# KiCad board ciaa_acc.kicad_pcb (continued)
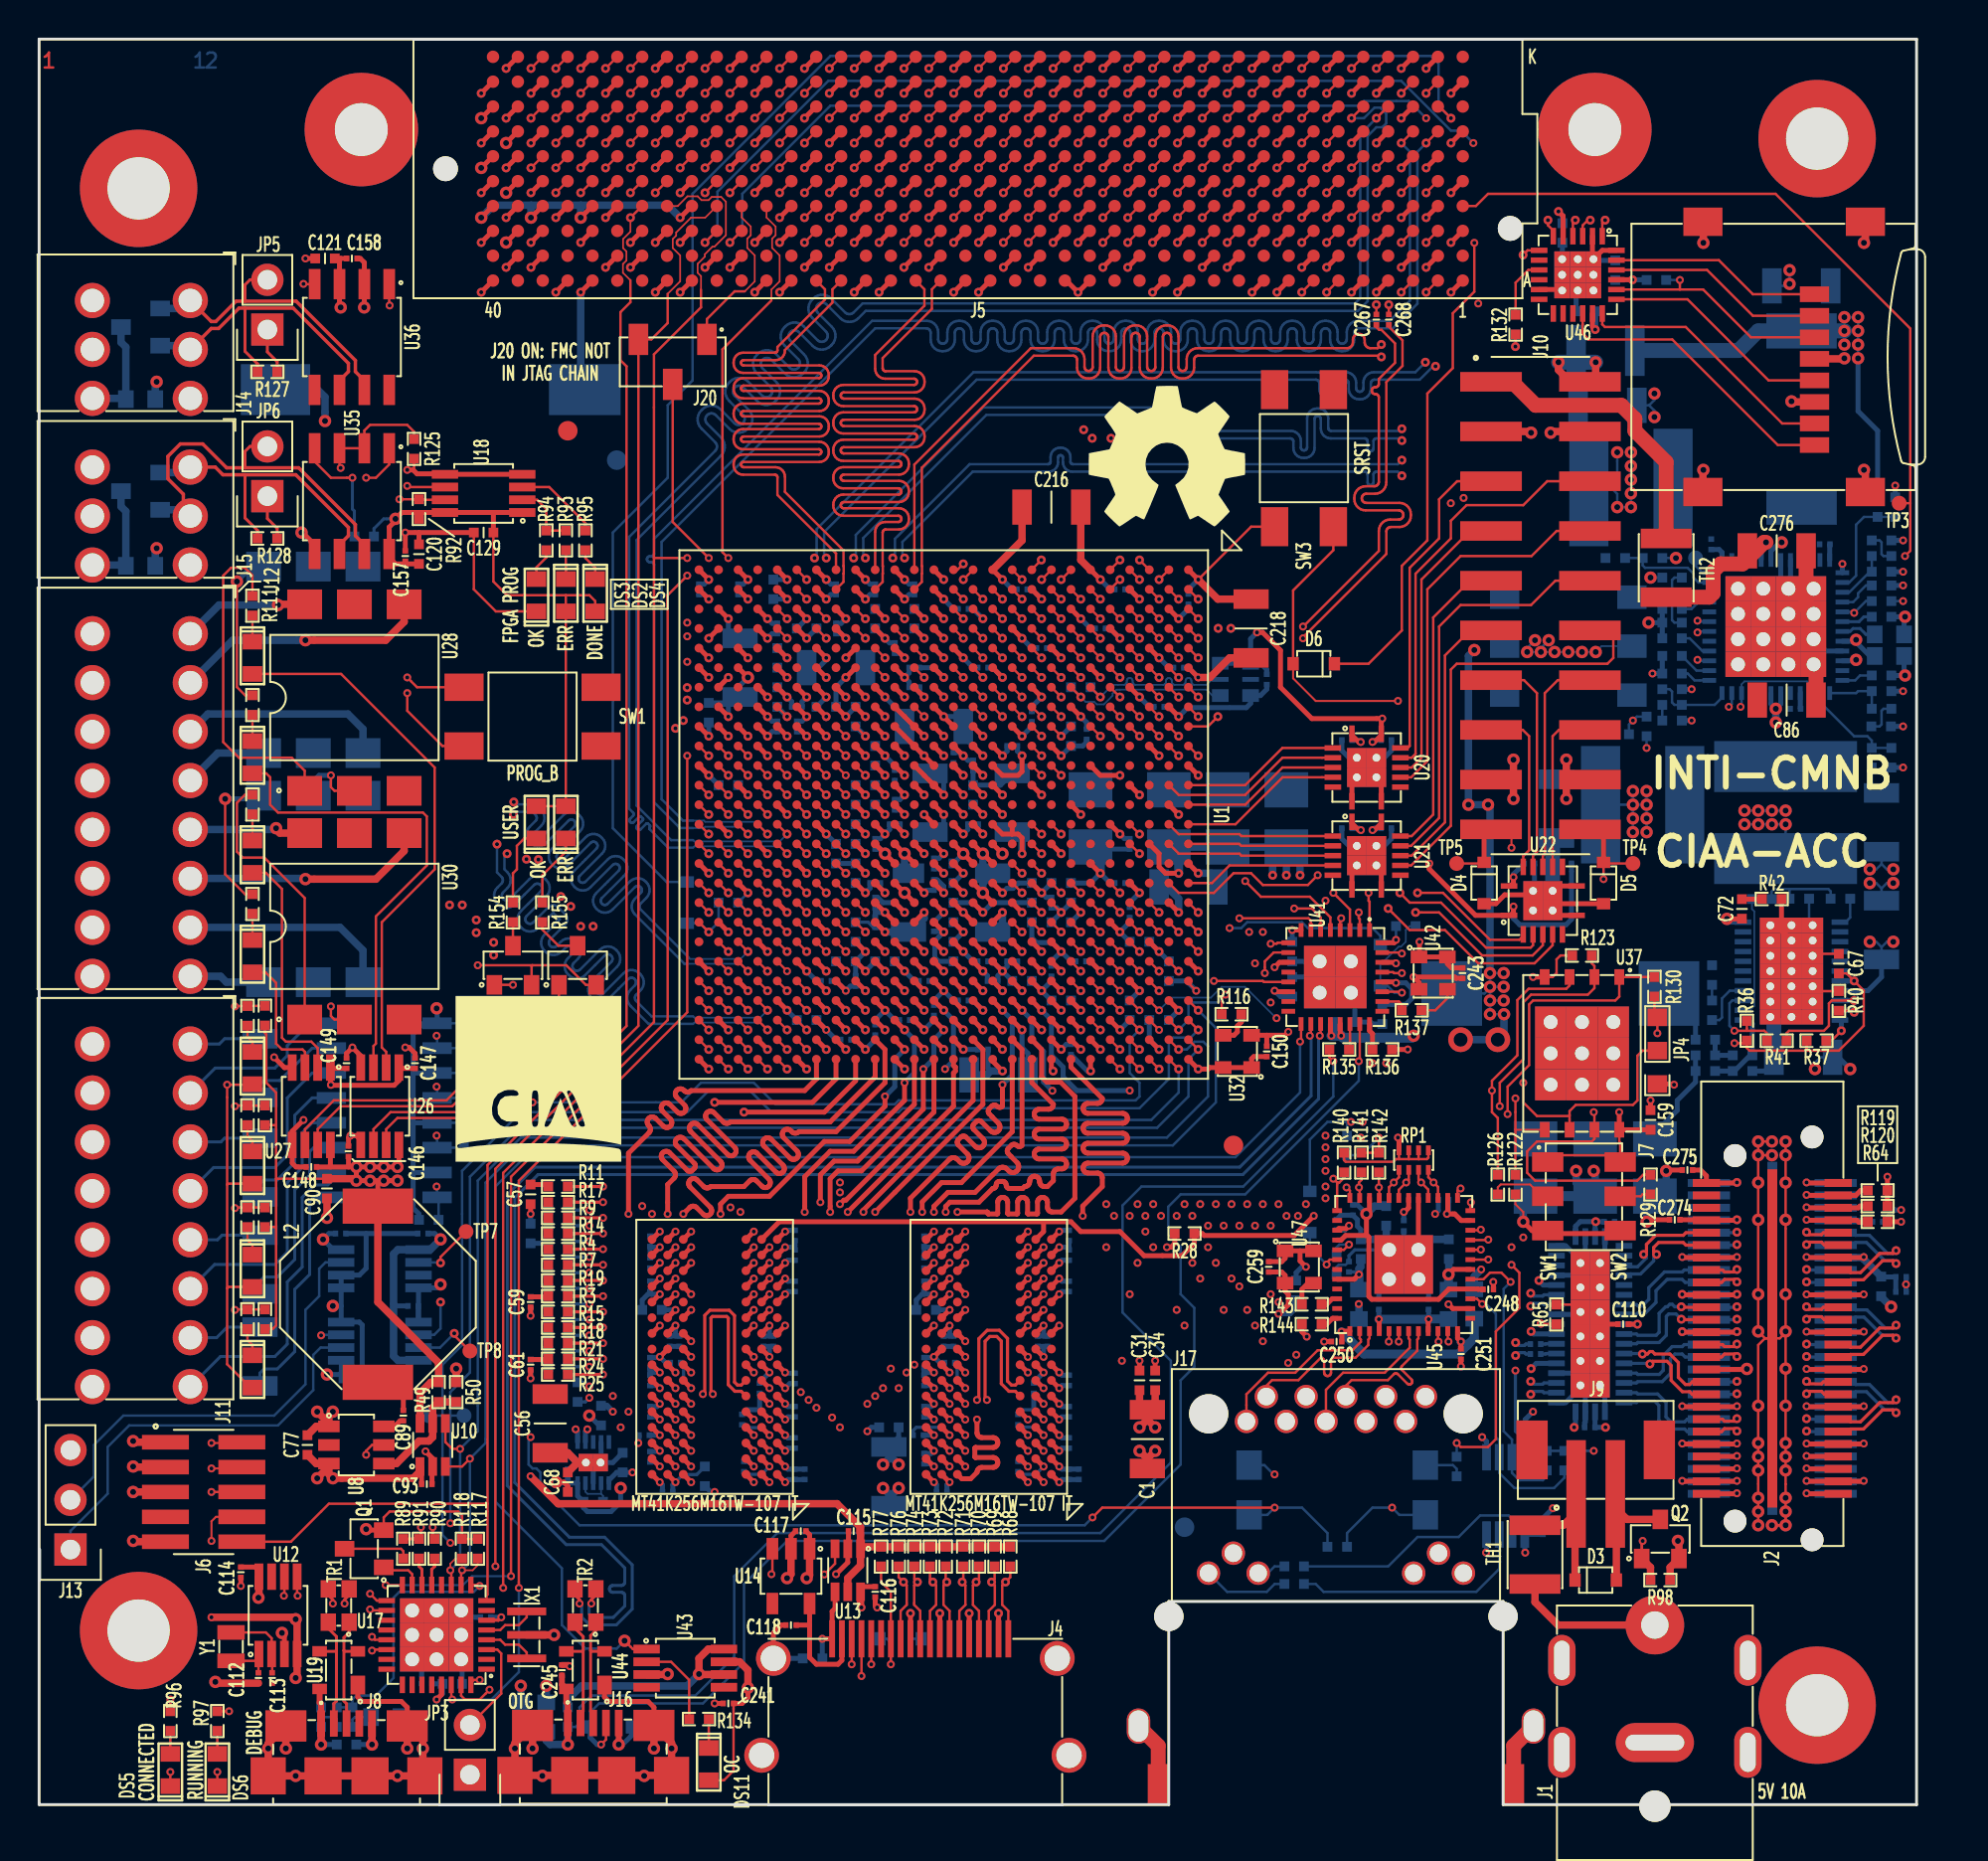
[diagram p0: board, top side]
## Routing (per net, layer and track width the routed paths; a pad name or vN(x,y) marks a point on that pad's centre or on a via; arc(x,y) is an arc through that point) (continued)
/Principal/BANKS_HP/FMC_HB_1_N: length 54.3
  TOP_L1.Sig w0.127: J5.J25 42.22,88 v2(41.63,87.4) ; U1.E5 v2(55.2,58.57)
  L3.Sig w0.089: v2(55.2,58.57) 54.82,58.95 54.82,63.89 54.84,63.91 54.84,64.86 48.42,71.29 43.72,71.29 43.7,71.32 43.68,71.35 43.67,71.38 43.67,71.42 43.68,71.45 43.7,71.49 43.72,71.51 44.12,71.91 44.18,71.99 44.22,72.07 44.24,72.16 44.24,72.25 44.22,72.34 44.18,72.43 44.12,72.5 44.08,72.54 44.01,72.59 43.93,72.63 43.83,72.65 43.74,72.65 43.65,72.63 43.57,72.59 43.5,72.54 42.29,71.33 42.26,71.31 42.23,71.29 42.19,71.28 42.16,71.28 42.12,71.29 42.09,71.31 42.06,71.33 42.04,71.36 42.03,71.39 42.02,71.43 42.02,71.46 42.03,71.5 42.04,71.53 42.06,71.56 42.46,71.96 42.52,72.03 42.56,72.11 42.58,72.2 42.58,72.3 42.56,72.39 42.52,72.47 42.46,72.54 42.4,72.6 42.4,72.8 42.41,72.83 42.42,72.86 42.43,72.88 42.45,72.9 42.48,72.92 42.51,72.93 42.54,72.93 43,72.93 43.09,72.94 43.17,72.97 43.25,73.02 43.31,73.08 43.35,73.16 43.38,73.24 43.39,73.33 43.39,73.37 43.38,73.46 43.35,73.54 43.31,73.62 43.25,73.68 43.17,73.73 43.09,73.75 43,73.76 42.54,73.76 42.51,73.77 42.48,73.78 42.45,73.79 42.43,73.81 42.42,73.84 42.41,73.87 42.4,73.9 42.41,73.93 42.42,73.96 42.43,73.98 42.45,74 42.48,74.02 42.51,74.03 42.54,74.03 43,74.03 43.09,74.04 43.17,74.07 43.25,74.12 43.31,74.18 43.35,74.26 43.38,74.34 43.39,74.43 43.39,74.47 43.38,74.56 43.35,74.64 43.31,74.72 43.25,74.78 43.17,74.83 43.09,74.85 43,74.86 42.54,74.86 42.51,74.87 42.48,74.88 42.45,74.89 42.43,74.91 42.42,74.94 42.41,74.97 42.4,75 42.41,75.03 42.42,75.06 42.43,75.08 42.45,75.1 42.48,75.12 42.51,75.13 42.54,75.13 43,75.13 43.09,75.14 43.17,75.17 43.25,75.22 43.31,75.28 43.35,75.36 43.38,75.44 43.39,75.53 43.39,75.57 43.38,75.66 43.35,75.74 43.31,75.82 43.25,75.88 43.17,75.93 43.09,75.95 43,75.96 42.54,75.96 42.51,75.97 42.48,75.98 42.45,75.99 42.43,76.01 42.42,76.04 42.41,76.07 42.4,76.1 42.4,77.9 42.41,77.93 42.41,77.95 42.43,77.97 42.44,77.99 42.47,78 42.49,78.01 42.51,78.01 42.75,78.01 42.83,78.02 42.91,78.05 42.98,78.09 43.04,78.15 43.08,78.22 43.11,78.3 43.12,78.38 43.12,78.43 43.11,78.51 43.08,78.58 43.04,78.65 42.98,78.71 42.91,78.76 42.83,78.78 42.75,78.79 41.8,78.79 41.77,78.8 41.75,78.8 41.73,78.82 41.71,78.83 41.7,78.86 41.69,78.88 41.69,78.9 41.69,78.93 41.7,78.95 41.71,78.97 41.73,78.99 41.75,79 41.77,79.01 41.8,79.01 42.04,79.01 42.12,79.02 42.19,79.05 42.26,79.09 42.32,79.15 42.37,79.22 42.39,79.3 42.4,79.38 42.4,84.04 42.45,84.09 43.46,84.09 43.77,84.4 43.77,85.33 43.5,85.6 42.49,85.6 42.4,85.68 42.4,86.4 42.9,86.9 43.15,86.9 43.41,87.15 43.41,87.66 43.15,87.91 42.77,87.91 42.26,87.4 v2(41.63,87.4)
/Principal/BANKS_HP/FMC_HB_1_P: length 54.3
  TOP_L1.Sig w0.127: J5.J24 43.49,88 v2(42.9,87.4) ; U1.F5 v2(54.2,58.57)
  L3.Sig w0.089: v2(42.9,87.4) 42.12,86.63 42.12,85.57 42.37,85.32 43.39,85.32 43.49,85.21 43.49,84.52 43.35,84.37 42.33,84.37 42.12,84.16 42.12,83.2 42.12,83.18 42.11,83.15 42.1,83.13 42.08,83.11 42.05,83.09 42.03,83.08 42,83.08 41.55,83.08 41.52,83.08 41.49,83.07 41.47,83.05 41.45,83.03 41.44,83.01 41.43,82.98 41.42,82.95 41.43,82.93 41.44,82.9 41.45,82.88 41.47,82.86 41.49,82.84 41.52,82.83 41.55,82.83 42,82.83 42.03,82.83 42.05,82.82 42.08,82.8 42.1,82.78 42.11,82.76 42.12,82.73 42.12,82.7 42.12,81.94 42.12,81.92 42.11,81.9 42.1,81.89 42.09,81.87 42.07,81.86 42.05,81.86 42.03,81.85 41.71,81.85 41.69,81.85 41.67,81.85 41.66,81.83 41.64,81.82 41.63,81.8 41.63,81.78 41.62,81.77 41.63,81.75 41.63,81.73 41.64,81.71 41.66,81.7 41.67,81.69 41.69,81.68 41.71,81.68 42.03,81.68 42.05,81.67 42.07,81.67 42.09,81.66 42.1,81.64 42.11,81.63 42.12,81.61 42.12,81.59 42.12,80.67 42.12,80.65 42.11,80.63 42.1,80.62 42.09,80.6 42.07,80.59 42.05,80.59 42.03,80.58 41.85,80.58 41.84,80.58 41.82,80.58 41.8,80.56 41.79,80.55 41.77,80.53 41.77,80.51 41.77,80.5 41.77,80.48 41.77,80.46 41.79,80.44 41.8,80.43 41.82,80.42 41.84,80.41 41.85,80.41 42.03,80.41 42.05,80.4 42.07,80.4 42.09,80.39 42.1,80.37 42.11,80.36 42.12,80.34 42.12,80.32 42.12,79.4 42.12,79.38 42.11,79.36 42.1,79.33 42.08,79.32 42.06,79.3 42.04,79.3 42.01,79.29 41.78,79.29 41.69,79.28 41.62,79.26 41.55,79.21 41.49,79.15 41.44,79.08 41.42,79.01 41.41,78.93 41.41,78.88 41.42,78.8 41.44,78.72 41.49,78.65 41.55,78.59 41.62,78.55 41.69,78.52 41.78,78.51 42.73,78.51 42.75,78.51 42.78,78.5 42.8,78.49 42.81,78.47 42.83,78.45 42.84,78.43 42.84,78.4 42.84,78.38 42.83,78.36 42.81,78.33 42.8,78.32 42.78,78.3 42.75,78.3 42.73,78.29 42.49,78.29 42.41,78.28 42.33,78.26 42.26,78.21 42.2,78.15 42.16,78.08 42.13,78.01 42.12,77.93 42.12,76.08 42.13,75.99 42.16,75.91 42.21,75.83 42.27,75.77 42.34,75.72 42.43,75.69 42.51,75.68 42.98,75.68 43.01,75.68 43.04,75.67 43.06,75.65 43.08,75.63 43.1,75.61 43.11,75.58 43.11,75.55 43.11,75.52 43.1,75.49 43.08,75.46 43.06,75.44 43.04,75.43 43.01,75.42 42.98,75.41 42.51,75.41 42.43,75.4 42.34,75.38 42.27,75.33 42.21,75.27 42.16,75.19 42.13,75.11 42.12,75.02 42.12,74.98 42.13,74.89 42.16,74.81 42.21,74.73 42.27,74.67 42.34,74.62 42.43,74.59 42.51,74.58 42.98,74.58 43.01,74.58 43.04,74.57 43.06,74.55 43.08,74.53 43.1,74.51 43.11,74.48 43.11,74.45 43.11,74.42 43.1,74.39 43.08,74.36 43.06,74.34 43.04,74.33 43.01,74.32 42.98,74.31 42.51,74.31 42.43,74.3 42.34,74.28 42.27,74.23 42.21,74.17 42.16,74.09 42.13,74.01 42.12,73.92 42.12,73.88 42.13,73.79 42.16,73.71 42.21,73.63 42.27,73.57 42.34,73.52 42.43,73.49 42.51,73.48 42.98,73.48 43.01,73.48 43.04,73.47 43.06,73.45 43.08,73.43 43.1,73.41 43.11,73.38 43.11,73.35 43.11,73.32 43.1,73.29 43.08,73.26 43.06,73.24 43.04,73.23 43.01,73.22 42.98,73.21 42.51,73.21 42.43,73.2 42.34,73.18 42.27,73.13 42.21,73.07 42.16,72.99 42.13,72.91 42.12,72.82 42.12,72.49 42.25,72.36 42.27,72.33 42.29,72.3 42.29,72.27 42.29,72.23 42.29,72.2 42.27,72.16 42.25,72.14 41.85,71.74 41.79,71.66 41.75,71.58 41.73,71.49 41.73,71.4 41.75,71.31 41.79,71.22 41.85,71.15 41.88,71.11 41.96,71.06 42.04,71.02 42.13,71 42.22,71 42.31,71.02 42.4,71.06 42.47,71.11 43.68,72.32 43.7,72.34 43.74,72.36 43.77,72.37 43.81,72.37 43.84,72.36 43.87,72.34 43.9,72.32 43.92,72.29 43.94,72.26 43.95,72.22 43.95,72.19 43.94,72.15 43.92,72.12 43.9,72.09 43.5,71.69 43.44,71.62 43.4,71.54 43.38,71.45 43.38,71.35 43.4,71.26 43.44,71.18 43.5,71.11 43.6,71.01 48.3,71.01 54.56,64.75 54.56,63.91 54.58,63.89 54.58,58.95 v2(54.2,58.57)
/Principal/BANKS_HP/FMC_HB_2_N: length 54.3
  TOP_L1.Sig w0.127: U1.C1 v2(56.2,63.57) ; v2(44.17,83.59) 44.76,84.19 J5.F23
  L5.Sig w0.089: v2(56.2,63.57) 56.19,63.57 55.84,63.92 55.84,65.13 48.92,72.05 45.91,72.05 45.88,72.06 45.84,72.07 45.81,72.09 45.79,72.11 45.77,72.14 45.76,72.18 45.75,72.21 45.75,72.66 45.74,72.75 45.71,72.84 45.66,72.91 45.6,72.98 45.52,73.03 45.43,73.06 45.34,73.07 45.29,73.07 45.2,73.06 45.11,73.03 45.03,72.98 44.97,72.91 44.92,72.84 44.89,72.75 44.87,72.66 44.87,72.21 44.87,72.18 44.86,72.14 44.84,72.11 44.81,72.09 44.78,72.07 44.75,72.06 44.71,72.05 43.99,72.77 43.98,72.79 43.97,72.82 43.96,72.84 43.96,72.87 43.97,72.89 43.98,72.91 43.99,72.93 44.1,73.04 44.12,73.06 44.13,73.09 44.14,73.11 44.14,73.14 44.13,73.16 44.12,73.18 44.1,73.2 44.08,73.22 44.06,73.23 44.04,73.24 44.01,73.24 43.99,73.23 43.96,73.22 43.94,73.2 43.83,73.09 43.81,73.08 43.79,73.07 43.77,73.06 43.74,73.06 43.72,73.07 43.69,73.08 43.67,73.09 43.67,73.49 43.68,73.51 43.68,73.54 43.7,73.56 43.72,73.58 43.74,73.59 43.76,73.6 43.79,73.6 44.39,73.6 44.42,73.6 44.44,73.61 44.46,73.63 44.48,73.64 44.49,73.66 44.5,73.69 44.5,73.71 44.5,73.74 44.49,73.76 44.48,73.79 44.46,73.8 44.44,73.82 44.42,73.83 44.39,73.83 43.79,73.83 43.76,73.83 43.74,73.84 43.72,73.85 43.7,73.87 43.68,73.89 43.68,73.92 43.67,73.94 43.67,74.14 43.68,74.17 43.69,74.21 43.71,74.24 43.73,74.26 43.76,74.28 43.8,74.3 43.83,74.3 44.45,74.3 44.54,74.31 44.63,74.34 44.71,74.39 44.77,74.46 44.82,74.53 44.85,74.62 44.86,74.71 44.86,74.76 44.85,74.86 44.82,74.94 44.77,75.02 44.71,75.09 44.63,75.14 44.54,75.17 44.45,75.18 43.83,75.18 43.8,75.18 43.76,75.19 43.73,75.21 43.71,75.24 43.69,75.27 43.68,75.3 43.67,75.34 43.67,75.54 43.68,75.57 43.69,75.61 43.71,75.64 43.73,75.66 43.76,75.68 43.8,75.69 43.83,75.7 44.85,75.7 44.94,75.71 45.03,75.74 45.11,75.79 45.17,75.85 45.22,75.93 45.25,76.02 45.26,76.11 45.26,76.16 45.25,76.25 45.22,76.34 45.17,76.42 45.11,76.49 45.03,76.53 44.94,76.57 44.85,76.58 43.83,76.58 43.8,76.58 43.76,76.59 43.73,76.61 43.71,76.64 43.69,76.67 43.68,76.7 43.67,76.74 43.67,77.69 43.72,77.74 44.73,77.74 44.94,77.95 44.94,79.08 44.73,79.29 43.72,79.29 43.67,79.33 43.67,80.11 43.84,80.28 44.73,80.28 44.94,80.49 44.94,82.89 44.73,83.1 43.84,83.1 43.63,83.31 43.63,89.09 43.97,89.42 44.49,89.42 44.66,89.25 44.66,84.09 v2(44.17,83.59)
/Principal/BANKS_HP/FMC_HB_2_P: length 54.3
  TOP_L1.Sig w0.127: J5.F22 46.03,84.19 v2(45.44,83.59) ; U1.D1 v2(56.2,62.57)
  L5.Sig w0.089: v2(45.44,83.59) 44.94,84.09 44.94,89.37 44.61,89.7 43.86,89.7 43.35,89.2 43.35,83.19 43.73,82.82 44.62,82.82 44.66,82.77 44.66,80.6 44.62,80.56 43.73,80.56 43.39,80.22 43.39,79.22 43.6,79.01 44.62,79.01 44.66,78.96 44.66,78.06 44.62,78.02 43.6,78.02 43.39,77.81 43.39,76.71 43.4,76.62 43.43,76.53 43.48,76.45 43.55,76.39 43.63,76.34 43.72,76.31 43.81,76.3 44.82,76.3 44.86,76.29 44.89,76.28 44.92,76.26 44.95,76.24 44.97,76.21 44.98,76.17 44.98,76.14 44.98,76.1 44.97,76.07 44.95,76.04 44.92,76.01 44.89,75.99 44.86,75.98 44.82,75.98 43.81,75.98 43.72,75.97 43.63,75.93 43.55,75.89 43.48,75.82 43.43,75.74 43.4,75.65 43.39,75.56 43.39,75.31 43.4,75.22 43.43,75.13 43.48,75.06 43.55,74.99 43.63,74.94 43.72,74.91 43.81,74.9 44.42,74.9 44.46,74.9 44.49,74.88 44.52,74.86 44.55,74.84 44.57,74.81 44.58,74.77 44.58,74.74 44.58,74.7 44.57,74.67 44.55,74.64 44.52,74.61 44.49,74.59 44.46,74.58 44.42,74.58 43.81,74.58 43.72,74.57 43.63,74.54 43.55,74.49 43.48,74.42 43.43,74.34 43.4,74.26 43.39,74.16 43.39,72.98 44.6,71.77 44.74,71.77 44.83,71.78 44.92,71.81 45,71.86 45.06,71.93 45.11,72.01 45.14,72.1 45.15,72.19 45.15,72.63 45.16,72.67 45.17,72.7 45.19,72.73 45.21,72.76 45.24,72.78 45.28,72.79 45.31,72.79 45.35,72.79 45.38,72.78 45.41,72.76 45.44,72.73 45.46,72.7 45.47,72.67 45.47,72.63 45.47,72.19 45.49,72.1 45.52,72.01 45.57,71.93 45.63,71.86 45.71,71.81 45.8,71.78 45.89,71.77 48.81,71.77 55.56,65.02 55.56,63.91 55.6,63.87 55.6,63.17 v2(56.2,62.57)
/Principal/BANKS_HP/FMC_HB_3_N: length 54.3
  TOP_L1.Sig w0.127: v2(45.44,82.32) 46.03,82.92 J5.E22 ; U1.B1 v2(57.2,62.57)
  L5.Sig w0.089: v2(45.44,82.32) 45.93,82.82 45.93,89.49 46.18,89.74 48.25,89.74 48.75,89.24 48.75,85.57 48.54,85.36 47.6,85.36 47.48,85.25 47.48,80.62 47.15,80.28 46.26,80.28 46.21,80.23 46.21,78.95 46.22,78.92 46.23,78.88 46.25,78.85 46.27,78.83 46.3,78.81 46.34,78.8 46.37,78.79 47.74,78.79 47.83,78.78 47.92,78.75 48,78.7 48.06,78.64 48.11,78.56 48.14,78.47 48.15,78.38 48.15,78.33 48.14,78.23 48.11,78.15 48.06,78.07 48,78 47.92,77.95 47.83,77.92 47.74,77.91 46.37,77.91 46.34,77.91 46.3,77.9 46.27,77.88 46.25,77.85 46.23,77.82 46.22,77.79 46.21,77.75 46.21,75.69 46.2,75.6 46.17,75.51 46.12,75.44 46.06,75.37 45.98,75.32 45.89,75.29 45.8,75.28 45.6,75.28 45.56,75.28 45.53,75.26 45.5,75.25 45.47,75.22 45.45,75.19 45.44,75.16 45.44,75.12 45.44,75.08 45.45,75.05 45.47,75.02 45.5,74.99 45.53,74.98 45.56,74.96 45.6,74.96 47.47,74.96 47.56,74.95 47.65,74.92 47.73,74.87 47.8,74.8 47.85,74.73 47.88,74.64 47.89,74.55 47.89,74.49 47.88,74.4 47.85,74.31 47.8,74.24 47.73,74.17 47.65,74.12 47.56,74.09 47.47,74.08 46.37,74.08 46.34,74.08 46.3,74.06 46.27,74.05 46.25,74.02 46.23,73.99 46.22,73.96 46.21,73.92 46.21,73.87 46.92,73.17 46.93,73.16 46.95,73.15 46.97,73.15 46.98,73.15 47,73.15 47.02,73.16 47.05,73.18 47.07,73.19 47.08,73.19 47.1,73.19 47.12,73.19 47.14,73.18 47.15,73.17 47.16,73.16 47.17,73.15 47.18,73.13 47.18,73.11 47.18,73.09 47.18,73.07 47.17,73.06 47.15,73.03 47.14,73.01 47.14,72.99 47.14,72.98 47.14,72.96 47.15,72.94 47.16,72.93 47.27,72.81 49.31,72.81 56.84,65.28 56.84,63.91 56.82,63.89 56.82,62.95 v2(57.2,62.57)
/Principal/BANKS_HP/FMC_HB_3_P: length 54.3
  TOP_L1.Sig w0.127: J5.E21 47.3,82.92 v2(46.71,82.32) ; U1.C2 v2(57.2,61.57)
  L5.Sig w0.089: v2(57.2,61.57) 56.58,62.19 56.58,63.89 56.56,63.91 56.56,65.16 49.19,72.53 47.16,72.53 45.93,73.76 45.93,73.95 45.94,74.04 45.97,74.13 46.02,74.2 46.09,74.27 46.17,74.32 46.26,74.35 46.35,74.36 47.45,74.36 47.48,74.36 47.52,74.38 47.55,74.39 47.57,74.42 47.59,74.45 47.6,74.48 47.61,74.52 47.6,74.56 47.59,74.59 47.57,74.62 47.55,74.65 47.52,74.66 47.48,74.68 47.45,74.68 45.57,74.68 45.48,74.69 45.39,74.72 45.31,74.77 45.25,74.84 45.2,74.91 45.17,75 45.16,75.09 45.16,75.15 45.17,75.24 45.2,75.33 45.25,75.4 45.31,75.47 45.39,75.52 45.48,75.55 45.57,75.56 45.77,75.56 45.81,75.56 45.84,75.58 45.87,75.59 45.9,75.62 45.92,75.65 45.93,75.68 45.93,75.72 45.93,77.78 45.94,77.87 45.97,77.96 46.02,78.04 46.09,78.1 46.17,78.15 46.26,78.18 46.35,78.19 47.71,78.19 47.75,78.2 47.78,78.21 47.81,78.23 47.84,78.25 47.86,78.28 47.87,78.32 47.87,78.35 47.87,78.39 47.86,78.42 47.84,78.45 47.81,78.48 47.78,78.5 47.75,78.51 47.71,78.51 46.35,78.51 46.26,78.52 46.17,78.55 46.09,78.6 46.02,78.67 45.97,78.75 45.94,78.83 45.93,78.93 45.93,80.35 46.14,80.56 47.03,80.56 47.2,80.73 47.2,85.36 47.48,85.64 48.43,85.64 48.47,85.68 48.47,89.12 48.14,89.46 46.3,89.46 46.21,89.38 46.21,82.82 v2(46.71,82.32)
/Principal/BANKS_HP/FMC_HB_4_N: length 54.3
  TOP_L1.Sig w0.127: v2(40.36,83.59) 40.95,84.19 J5.F26 ; U1.G5 v2(53.2,58.57)
  L5.Sig w0.089: v2(53.2,58.57) 53.57,58.94 53.57,63.13 53.56,63.15 53.56,64.61 47.92,70.25 40.3,70.25 39.58,70.96 39.58,71.24 39.58,71.26 39.57,71.29 39.56,71.31 39.54,71.33 39.51,71.35 39.49,71.36 39.46,71.36 39.05,71.36 39.02,71.36 38.99,71.37 38.97,71.39 38.95,71.41 38.94,71.43 38.93,71.46 38.92,71.49 38.93,71.51 38.94,71.54 38.95,71.56 38.97,71.58 38.99,71.6 39.02,71.61 39.05,71.61 39.46,71.61 39.49,71.61 39.51,71.62 39.54,71.64 39.56,71.66 39.57,71.68 39.58,71.71 39.58,71.74 39.58,71.76 39.57,71.78 39.56,71.8 39.54,71.82 39.52,71.84 39.5,71.84 39.47,71.85 38.25,71.85 38.17,71.86 38.09,71.88 38.02,71.93 37.96,71.98 37.92,72.05 37.89,72.13 37.88,72.21 37.88,72.26 37.89,72.34 37.92,72.42 37.96,72.49 38.02,72.55 38.09,72.59 38.17,72.62 38.25,72.63 39.47,72.63 39.5,72.63 39.52,72.64 39.54,72.65 39.56,72.67 39.57,72.69 39.58,72.71 39.58,72.74 39.58,72.76 39.57,72.78 39.56,72.8 39.54,72.82 39.52,72.84 39.5,72.84 39.47,72.85 38.25,72.85 38.17,72.86 38.09,72.88 38.02,72.93 37.96,72.98 37.92,73.05 37.89,73.13 37.88,73.21 37.88,73.26 37.89,73.34 37.92,73.42 37.96,73.49 38.02,73.55 38.09,73.59 38.17,73.62 38.25,73.63 39.47,73.63 39.5,73.63 39.52,73.64 39.54,73.65 39.56,73.67 39.57,73.69 39.58,73.71 39.58,73.74 39.58,73.76 39.57,73.78 39.56,73.8 39.54,73.82 39.52,73.84 39.5,73.84 39.47,73.85 38.25,73.85 38.17,73.86 38.09,73.88 38.02,73.93 37.96,73.98 37.92,74.05 37.89,74.13 37.88,74.21 37.88,74.26 37.89,74.34 37.92,74.42 37.96,74.49 38.02,74.55 38.09,74.59 38.17,74.62 38.25,74.63 39.47,74.63 39.5,74.63 39.52,74.64 39.54,74.65 39.56,74.67 39.57,74.69 39.58,74.71 39.58,74.74 39.58,74.76 39.57,74.78 39.56,74.8 39.54,74.82 39.52,74.84 39.5,74.84 39.47,74.85 38.25,74.85 38.17,74.86 38.09,74.88 38.02,74.93 37.96,74.98 37.92,75.05 37.89,75.13 37.88,75.21 37.88,75.26 37.89,75.34 37.92,75.42 37.96,75.49 38.02,75.55 38.09,75.59 38.17,75.62 38.25,75.63 39.47,75.63 39.5,75.63 39.52,75.64 39.54,75.65 39.56,75.67 39.57,75.69 39.58,75.71 39.58,75.74 39.58,75.76 39.57,75.78 39.56,75.8 39.54,75.82 39.52,75.84 39.5,75.84 39.47,75.85 38.25,75.85 38.17,75.86 38.09,75.88 38.02,75.93 37.96,75.98 37.92,76.05 37.89,76.13 37.88,76.21 37.88,76.26 37.89,76.34 37.92,76.42 37.96,76.49 38.02,76.55 38.09,76.59 38.17,76.62 38.25,76.63 39.47,76.63 39.5,76.63 39.52,76.64 39.54,76.65 39.56,76.67 39.57,76.69 39.58,76.71 39.58,76.74 39.58,81.55 39.86,81.83 40.81,81.83 40.85,81.87 40.85,83.1 v2(40.36,83.59)
/Principal/BANKS_HP/FMC_HB_4_P: length 54.3
  TOP_L1.Sig w0.127: U1.G6 v2(53.2,57.57) ; v2(41.63,83.59) 42.22,84.19 J5.F25
  L5.Sig w0.089: v2(41.63,83.59) 41.13,83.1 41.13,81.76 40.92,81.55 39.98,81.55 39.86,81.44 39.86,76.71 39.85,76.63 39.83,76.55 39.78,76.48 39.72,76.43 39.65,76.38 39.58,76.36 39.5,76.35 38.27,76.35 38.25,76.34 38.22,76.34 38.2,76.32 38.19,76.3 38.17,76.28 38.17,76.26 38.16,76.24 38.17,76.21 38.17,76.19 38.19,76.17 38.2,76.15 38.22,76.14 38.25,76.13 38.27,76.13 39.5,76.13 39.58,76.12 39.65,76.09 39.72,76.05 39.78,75.99 39.83,75.92 39.85,75.84 39.86,75.76 39.86,75.71 39.85,75.63 39.83,75.55 39.78,75.48 39.72,75.43 39.65,75.38 39.58,75.36 39.5,75.35 38.27,75.35 38.25,75.34 38.22,75.34 38.2,75.32 38.19,75.3 38.17,75.28 38.17,75.26 38.16,75.24 38.17,75.21 38.17,75.19 38.19,75.17 38.2,75.15 38.22,75.14 38.25,75.13 38.27,75.13 39.5,75.13 39.58,75.12 39.65,75.09 39.72,75.05 39.78,74.99 39.83,74.92 39.85,74.84 39.86,74.76 39.86,74.71 39.85,74.63 39.83,74.55 39.78,74.48 39.72,74.43 39.65,74.38 39.58,74.36 39.5,74.35 38.27,74.35 38.25,74.34 38.22,74.34 38.2,74.32 38.19,74.3 38.17,74.28 38.17,74.26 38.16,74.24 38.17,74.21 38.17,74.19 38.19,74.17 38.2,74.15 38.22,74.14 38.25,74.13 38.27,74.13 39.5,74.13 39.58,74.12 39.65,74.09 39.72,74.05 39.78,73.99 39.83,73.92 39.85,73.84 39.86,73.76 39.86,73.71 39.85,73.63 39.83,73.55 39.78,73.48 39.72,73.43 39.65,73.38 39.58,73.36 39.5,73.35 38.27,73.35 38.25,73.34 38.22,73.34 38.2,73.32 38.19,73.3 38.17,73.28 38.17,73.26 38.16,73.24 38.17,73.21 38.17,73.19 38.19,73.17 38.2,73.15 38.22,73.14 38.25,73.13 38.27,73.13 39.5,73.13 39.58,73.12 39.65,73.09 39.72,73.05 39.78,72.99 39.83,72.92 39.85,72.84 39.86,72.76 39.86,72.71 39.85,72.63 39.83,72.55 39.78,72.48 39.72,72.43 39.65,72.38 39.58,72.36 39.5,72.35 38.27,72.35 38.25,72.34 38.22,72.34 38.2,72.32 38.19,72.3 38.17,72.28 38.17,72.26 38.16,72.24 38.17,72.21 38.17,72.19 38.19,72.17 38.2,72.15 38.22,72.14 38.25,72.13 38.27,72.13 39.5,72.13 39.58,72.12 39.65,72.09 39.72,72.05 39.78,71.99 39.83,71.92 39.85,71.84 39.86,71.76 39.86,71.08 40.42,70.53 48.04,70.53 53.84,64.72 53.84,63.15 53.82,63.13 53.82,58.19 v2(53.2,57.57)
/Principal/BANKS_HP/FMC_HB_5_N: length 54.3
  TOP_L1.Sig w0.127: v2(41.63,82.32) 42.22,82.92 J5.E25 ; U1.E3 v2(55.2,60.57)
  L5.Sig w0.089: v2(41.63,82.32) 42.14,82.32 42.64,82.83 43.15,82.83 43.41,82.58 43.41,82.07 43.15,81.82 42.9,81.82 42.4,81.32 42.4,80.49 42.15,80.24 41.14,80.24 41.13,80.23 41.13,79.53 41.14,79.47 41.16,79.42 41.19,79.37 41.23,79.33 41.28,79.3 41.34,79.28 41.39,79.27 42.61,79.27 42.73,79.26 42.83,79.22 42.93,79.16 43.01,79.08 43.07,78.98 43.11,78.87 43.12,78.76 43.12,78.7 43.11,78.59 43.07,78.48 43.01,78.38 42.93,78.3 42.83,78.24 42.73,78.2 42.61,78.19 41.39,78.19 41.34,78.18 41.28,78.16 41.23,78.13 41.19,78.09 41.16,78.04 41.14,77.99 41.13,77.93 41.13,76.69 41.14,76.66 41.15,76.63 41.16,76.61 41.18,76.59 41.21,76.57 41.24,76.56 41.27,76.56 41.94,76.56 42.03,76.55 42.11,76.52 42.18,76.47 42.24,76.41 42.29,76.33 42.32,76.25 42.33,76.16 42.33,76.12 42.32,76.03 42.29,75.95 42.24,75.87 42.18,75.81 42.11,75.76 42.03,75.74 41.94,75.73 40.52,75.73 40.49,75.72 40.46,75.71 40.44,75.7 40.41,75.68 40.4,75.65 40.39,75.62 40.39,75.59 40.39,75.56 40.4,75.53 40.41,75.51 40.44,75.49 40.46,75.47 40.49,75.46 40.52,75.46 41.94,75.46 42.03,75.45 42.11,75.42 42.18,75.37 42.24,75.31 42.29,75.23 42.32,75.15 42.33,75.06 42.33,75.02 42.32,74.93 42.29,74.85 42.24,74.77 42.18,74.71 42.11,74.66 42.03,74.64 41.94,74.63 40.52,74.63 40.49,74.62 40.46,74.61 40.44,74.6 40.41,74.58 40.4,74.55 40.39,74.52 40.39,74.49 40.39,74.46 40.4,74.43 40.41,74.41 40.44,74.39 40.46,74.37 40.49,74.36 40.52,74.36 41.94,74.36 42.03,74.35 42.11,74.32 42.18,74.27 42.24,74.21 42.29,74.13 42.32,74.05 42.33,73.96 42.33,73.92 42.32,73.83 42.29,73.75 42.24,73.67 42.18,73.61 42.11,73.56 42.03,73.54 41.94,73.53 40.52,73.53 40.49,73.52 40.46,73.51 40.44,73.5 40.41,73.48 40.4,73.45 40.39,73.42 40.39,73.39 40.39,73.36 40.4,73.33 40.41,73.31 40.44,73.29 40.46,73.27 40.49,73.26 40.52,73.26 41.94,73.26 42.03,73.25 42.11,73.22 42.18,73.17 42.24,73.11 42.29,73.03 42.32,72.95 42.33,72.86 42.33,72.82 42.32,72.73 42.29,72.65 42.24,72.57 42.18,72.51 42.11,72.46 42.03,72.44 41.94,72.43 41.27,72.43 41.24,72.42 41.21,72.41 41.18,72.4 41.16,72.38 41.15,72.35 41.14,72.32 41.13,72.29 41.13,72.15 42,71.29 42.56,71.29 42.59,71.29 42.62,71.3 42.64,71.32 42.67,71.34 42.68,71.36 42.69,71.39 42.7,71.42 42.7,72.04 42.71,72.12 42.73,72.21 42.78,72.28 42.84,72.34 42.92,72.39 43,72.42 43.09,72.43 43.13,72.43 43.22,72.42 43.3,72.39 43.38,72.34 43.44,72.28 43.49,72.21 43.51,72.12 43.52,72.04 43.52,71.42 43.53,71.39 43.54,71.36 43.55,71.34 43.58,71.32 43.6,71.3 43.63,71.29 43.66,71.29 48.42,71.29 54.84,64.86 54.84,63.91 54.82,63.89 54.82,60.95 v2(55.2,60.57)
/Principal/BANKS_HP/FMC_HB_5_P: length 54.3
  TOP_L1.Sig w0.127: v2(42.9,82.32) 43.49,82.92 J5.E24 ; U1.F3 v2(54.2,60.57)
  L5.Sig w0.089: v2(54.2,60.57) 54.58,60.95 54.58,63.89 54.56,63.91 54.56,64.75 48.3,71.01 43.64,71.01 43.55,71.02 43.47,71.05 43.39,71.09 43.33,71.16 43.28,71.23 43.26,71.31 43.25,71.4 43.25,72.01 43.24,72.04 43.23,72.07 43.22,72.1 43.19,72.12 43.17,72.13 43.14,72.14 43.11,72.15 43.08,72.14 43.05,72.13 43.03,72.12 43,72.1 42.99,72.07 42.98,72.04 42.97,72.01 42.97,71.4 42.96,71.31 42.94,71.23 42.89,71.16 42.83,71.09 42.75,71.05 42.67,71.02 42.58,71.01 41.88,71.01 41.56,71.33 41.54,71.35 41.51,71.36 41.49,71.37 41.46,71.37 41.43,71.36 41.41,71.35 41.38,71.33 41.03,70.97 41,70.96 40.98,70.94 40.95,70.94 40.92,70.94 40.9,70.94 40.87,70.96 40.85,70.97 40.83,71 40.82,71.02 40.81,71.05 40.81,71.08 40.82,71.1 40.83,71.13 40.85,71.15 41.21,71.51 41.22,71.53 41.24,71.55 41.24,71.58 41.24,71.61 41.24,71.64 41.22,71.66 41.21,71.68 41.18,71.7 41.16,71.71 41.13,71.72 41.1,71.72 41.08,71.71 41.05,71.7 41.03,71.68 40.67,71.33 40.65,71.31 40.63,71.3 40.6,71.29 40.57,71.29 40.54,71.3 40.52,71.31 40.5,71.33 40.48,71.35 40.47,71.37 40.46,71.4 40.46,71.43 40.47,71.46 40.48,71.48 40.5,71.5 40.85,71.86 40.87,71.88 40.88,71.91 40.89,71.94 40.89,71.96 40.88,71.99 40.87,72.02 40.85,72.04 40.85,72.31 40.86,72.4 40.89,72.48 40.94,72.56 41,72.62 41.07,72.67 41.16,72.7 41.24,72.71 41.92,72.71 41.95,72.71 41.97,72.72 42,72.74 42.02,72.76 42.04,72.78 42.05,72.81 42.05,72.84 42.05,72.87 42.04,72.9 42.02,72.93 42,72.95 41.97,72.96 41.95,72.97 41.92,72.98 40.5,72.98 40.41,72.99 40.33,73.01 40.25,73.06 40.19,73.12 40.14,73.2 40.12,73.28 40.11,73.37 40.11,73.41 40.12,73.5 40.14,73.58 40.19,73.66 40.25,73.72 40.33,73.77 40.41,73.8 40.5,73.81 41.92,73.81 41.95,73.81 41.97,73.82 42,73.84 42.02,73.86 42.04,73.88 42.05,73.91 42.05,73.94 42.05,73.97 42.04,74 42.02,74.03 42,74.05 41.97,74.06 41.95,74.07 41.92,74.08 40.5,74.08 40.41,74.09 40.33,74.11 40.25,74.16 40.19,74.22 40.14,74.3 40.12,74.38 40.11,74.47 40.11,74.51 40.12,74.6 40.14,74.68 40.19,74.76 40.25,74.82 40.33,74.87 40.41,74.9 40.5,74.91 41.92,74.91 41.95,74.91 41.97,74.92 42,74.94 42.02,74.96 42.04,74.98 42.05,75.01 42.05,75.04 42.05,75.07 42.04,75.1 42.02,75.13 42,75.15 41.97,75.16 41.95,75.17 41.92,75.18 40.5,75.18 40.41,75.19 40.33,75.21 40.25,75.26 40.19,75.32 40.14,75.4 40.12,75.48 40.11,75.57 40.11,75.61 40.12,75.7 40.14,75.78 40.19,75.86 40.25,75.92 40.33,75.97 40.41,76 40.5,76.01 41.92,76.01 41.95,76.01 41.97,76.02 42,76.04 42.02,76.06 42.04,76.08 42.05,76.11 42.05,76.14 42.05,76.17 42.04,76.2 42.02,76.23 42,76.25 41.97,76.26 41.95,76.27 41.92,76.28 41.24,76.28 41.16,76.29 41.07,76.31 41,76.36 40.94,76.42 40.89,76.5 40.86,76.58 40.85,76.67 40.85,77.96 40.87,78.07 40.9,78.18 40.96,78.28 41.04,78.36 41.14,78.42 41.25,78.46 41.36,78.47 42.58,78.47 42.64,78.48 42.7,78.5 42.74,78.53 42.79,78.57 42.82,78.62 42.84,78.67 42.84,78.73 42.84,78.79 42.82,78.84 42.79,78.89 42.74,78.93 42.7,78.96 42.64,78.98 42.58,78.99 41.36,78.99 41.25,79 41.14,79.04 41.04,79.1 40.96,79.18 40.9,79.28 40.87,79.39 40.85,79.5 40.85,80.35 41.02,80.52 42.03,80.52 42.12,80.61 42.12,81.55 v2(42.9,82.32)
/Principal/BANKS_HP/FMC_HB_6_N: length 54.3
  TOP_L1.Sig w0.127: J5.K29 37.14,89.27 v2(36.55,88.67) ; U1.J3 v2(51.2,60.57)
  L3.Sig w0.089: v2(51.2,60.57) 51.57,60.94 51.57,63.86 51.56,63.87 51.56,64.07 46.9,68.72 38.65,68.72 37.04,70.33 37.04,71.07 37.04,71.09 37.03,71.12 37.02,71.14 37,71.16 36.98,71.17 36.96,71.18 36.93,71.18 35.97,71.18 35.89,71.19 35.81,71.22 35.74,71.26 35.68,71.32 35.64,71.39 35.61,71.47 35.6,71.55 35.6,71.59 35.61,71.67 35.64,71.75 35.68,71.82 35.74,71.88 35.81,71.92 35.89,71.95 35.97,71.96 36.93,71.96 36.96,71.96 36.98,71.97 37,71.98 37.02,72 37.03,72.02 37.04,72.05 37.04,72.07 37.04,72.09 37.03,72.12 37.02,72.14 37,72.16 36.98,72.17 36.96,72.18 36.93,72.18 35.97,72.18 35.89,72.19 35.81,72.22 35.74,72.26 35.68,72.32 35.64,72.39 35.61,72.47 35.6,72.55 35.6,72.59 35.61,72.67 35.64,72.75 35.68,72.82 35.74,72.88 35.81,72.92 35.89,72.95 35.97,72.96 36.93,72.96 36.96,72.96 36.98,72.97 37,72.98 37.02,73 37.03,73.02 37.04,73.05 37.04,73.07 37.04,73.09 37.03,73.12 37.02,73.14 37,73.16 36.98,73.17 36.96,73.18 36.93,73.18 35.97,73.18 35.89,73.19 35.81,73.22 35.74,73.26 35.68,73.32 35.64,73.39 35.61,73.47 35.6,73.55 35.6,73.59 35.61,73.67 35.64,73.75 35.68,73.82 35.74,73.88 35.81,73.92 35.89,73.95 35.97,73.96 36.93,73.96 36.96,73.96 36.98,73.97 37,73.98 37.02,74 37.03,74.02 37.04,74.05 37.04,74.07 37.04,74.09 37.03,74.12 37.02,74.14 37,74.16 36.98,74.17 36.96,74.18 36.93,74.18 35.97,74.18 35.89,74.19 35.81,74.22 35.74,74.26 35.68,74.32 35.64,74.39 35.61,74.47 35.6,74.55 35.6,74.59 35.61,74.67 35.64,74.75 35.68,74.82 35.74,74.88 35.81,74.92 35.89,74.95 35.97,74.96 36.93,74.96 36.96,74.96 36.98,74.97 37,74.98 37.02,75 37.03,75.02 37.04,75.05 37.04,75.07 37.04,75.09 37.03,75.12 37.02,75.14 37,75.16 36.98,75.17 36.96,75.18 36.93,75.18 35.97,75.18 35.89,75.19 35.81,75.22 35.74,75.26 35.68,75.32 35.64,75.39 35.61,75.47 35.6,75.55 35.6,75.59 35.61,75.67 35.64,75.75 35.68,75.82 35.74,75.88 35.81,75.92 35.89,75.95 35.97,75.96 36.93,75.96 36.96,75.96 36.98,75.97 37,75.98 37.02,76 37.03,76.02 37.04,76.05 37.04,76.07 37.04,77.75 37.04,77.82 37.01,77.88 36.98,77.94 36.93,77.99 36.87,78.02 36.81,78.04 36.74,78.05 36.53,78.05 36.47,78.06 36.4,78.08 36.34,78.12 36.3,78.16 36.26,78.22 36.24,78.29 36.23,78.35 36.24,78.42 36.26,78.48 36.3,78.54 36.34,78.59 36.4,78.62 36.47,78.64 36.53,78.65 36.74,78.65 36.81,78.66 36.87,78.68 36.93,78.72 36.98,78.76 37.01,78.82 37.04,78.89 37.04,78.95 37.04,88.18 v2(36.55,88.67)